# KiCad board default.kicad_pcb (continued)
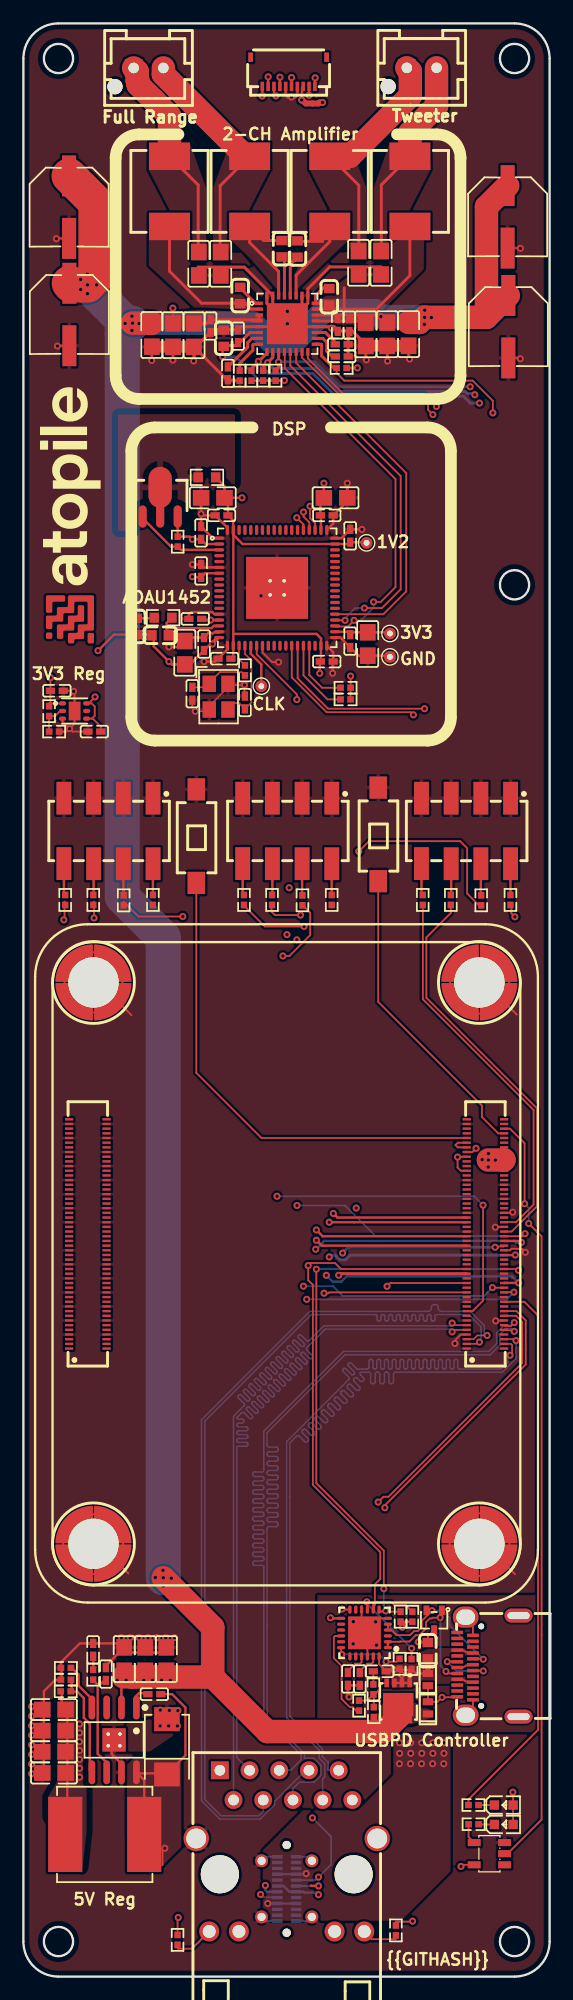
[diagram p0: board, top side]
## Footprints (pads in the part's own frame, mm; a bottom-side part is the same pattern mirrored in y, then rotated) (continued)
CONN-TH_B02B-XASK-1-A-LF-SN
  round 1.3 hole 1.3: (2.87,1.6)
  rect 1.5x1.5 hole 0.9: 1(1.27,0)
  round 1.5 hole 0.9: 2(-1.27,0)
CRYSTAL-SMD_4P-L3.2-W2.5-BL-2
  rect 1.4x1.15 smd: 1(-1.1,-0.8) 2(1.1,-0.8) 3(1.1,0.8) 4(-1.1,0.8)
DFN1610-2_L1.6-W1.0-P1.05-RD
  rect 0.6x0.9 smd: 1(-0.52,0) 2(0.52,0)
FPC-SMD_10P-P0.50_HDGC_0.5K-HX-10PWB
  rect 0.3x0.8 smd: 1(2.25,1.25) 2(1.75,1.25) 3(1.25,1.25) 4(0.75,1.25) 5(0.25,1.25) 6(-0.25,1.25) 7(-0.75,1.25) 8(-1.25,1.25) 9(-1.75,1.25) 10(-2.25,1.25)
  rect 0.4x0.8 smd: 11(-3.25,-1.25) 12(3.25,-1.25)
HDR-SMD_8P-P2.54-V-M-R2-C4-LS7.4
  rect 1.27x2.8 smd: 1(-3.81,-2.8) 2(-3.81,2.8) 3(-1.27,-2.8) 4(-1.27,2.8) 5(1.27,-2.8) 6(1.27,2.8) 7(3.81,-2.8) 8(3.81,2.79)
IND-SMD_L7.3-W6.8
  rect 2.35x3.5 smd: 1(-3,0) 2(3,0)
IND-SMD_L8.0-W8.0_SWPA8040S
  rect 2.92x6.42 smd: 1(3.38,0) 2(-3.38,0)
LED0603-RD
  rect 0.8x0.8 smd: 1(-0.8,0) 2(0.8,0)
LED0603-RD-YELLOW
  rect 0.8x0.8 smd: 1(-0.8,0) 2(0.8,0)
LFCSP-72_L10.0-W10.0-P0.50-LS10.2-BL-EP5.3
  round 0.61 hole 0.3: (-0.6,0.6) (-0.6,-0.6) (0.6,0.6) (0.6,-0.6)
  oval 0.28x0.85 smd: 1(-4.25,-4.95) 2(-3.75,-4.95) 3(-3.25,-4.95) 4(-2.75,-4.95) 5(-2.25,-4.95) 6(-1.75,-4.95) 7(-1.25,-4.95) 8(-0.75,-4.95) 9(-0.25,-4.95) 10(0.25,-4.95) 11(0.75,-4.95) 12(1.25,-4.95) 13(1.75,-4.95) 14(2.25,-4.95) 15(2.75,-4.95) 16(3.25,-4.95) 17(3.75,-4.95) 18(4.25,-4.95) 37(4.25,4.95) 38(3.75,4.95) 39(3.25,4.95) 40(2.75,4.95) 41(2.25,4.95) 42(1.75,4.95) 43(1.25,4.95) 44(0.75,4.95) 45(0.25,4.95) 46(-0.25,4.95) 47(-0.75,4.95) 48(-1.25,4.95) 49(-1.75,4.95) 50(-2.25,4.95) 51(-2.75,4.95) 52(-3.25,4.95) 53(-3.75,4.95) 54(-4.25,4.95)
  oval 0.85x0.28 smd: 19(4.95,-4.25) 20(4.95,-3.75) 21(4.95,-3.25) 22(4.95,-2.75) 23(4.95,-2.25) 24(4.95,-1.75) 25(4.95,-1.25) 26(4.95,-0.75) 27(4.95,-0.25) 28(4.95,0.25) 29(4.95,0.75) 30(4.95,1.25) 31(4.95,1.75) 32(4.95,2.25) 33(4.95,2.75) 34(4.95,3.25) 35(4.95,3.75) 36(4.95,4.25) 55(-4.95,4.25) 56(-4.95,3.75) 57(-4.95,3.25) 58(-4.95,2.75) 59(-4.95,2.25) 60(-4.95,1.75) 61(-4.95,1.25) 62(-4.95,0.75) 63(-4.95,0.25) 64(-4.95,-0.25) 65(-4.95,-0.75) 66(-4.95,-1.25) 67(-4.95,-1.75) 68(-4.95,-2.25) 69(-4.95,-2.75) 70(-4.95,-3.25) 71(-4.95,-3.75) 72(-4.95,-4.25)
  rect 5.3x5.3 smd: 73(0,0)
PDFN3333-8_L3.1-W3.2-P0.65-LS3.4-BL
  rect 0.4x0.75 smd: 1(-0.98,-1.53) 2(-0.32,-1.53) 3(0.33,-1.53) 4(0.98,-1.53)
  rect 0.4x0.8 smd: 5(0.98,1.53) 6(0.33,1.53) 7(-0.32,1.53) 8(-0.98,1.53)
  rect 2.6x2 smd: 9(0,0.33)
QFN-24_L4.0-W4.0-P0.50-BL-EP2.8
  oval 0.28x0.7 smd: 1(-1.25,-2) 2(-0.75,-2) 3(-0.25,-2) 4(0.25,-2) 5(0.75,-2) 6(1.25,-2) 13(1.25,2) 14(0.75,2) 15(0.25,2) 16(-0.25,2) 17(-0.75,2) 18(-1.25,2)
  oval 0.7x0.28 smd: 7(2,-1.25) 8(2,-0.75) 9(2,-0.25) 10(2,0.25) 11(2,0.75) 12(2,1.25) 19(-2,1.25) 20(-2,0.75) 21(-2,0.25) 22(-2,-0.25) 23(-2,-0.75) 24(-2,-1.25)
  rect 2.8x2.8 smd: 25(0.01,0)
R0402
  rect 0.57x0.54 smd: 1(-0.43,0) 2(0.43,0)
R0603
  rect 0.81x0.86 smd: 1(-0.75,0) 2(0.75,0)
RJ45-TH_HR911130A
  round 3.25 hole 3.25: (-5.72,2) (5.72,2)
  round 1.7 hole 1.1: 11(6.63,6.89) 12(4.09,6.89) 13(-4.09,6.89) 14(-6.63,6.89)
  rect 1.52x1.52 hole 0.91: P1(5.72,-6.89)
  round 1.52 hole 0.91: P2(4.55,-4.35) P3(3.18,-6.89) P4(2.01,-4.35) P5(0.64,-6.89) P6(-0.53,-4.35) P7(-1.9,-6.89) P8(-3.07,-4.35) P9(-4.44,-6.89) P10(-5.61,-4.35)
  round 2.16 hole 1.7: SHIELD0(-7.74,-1.06) SHIELD1(7.74,-1.06)
SMB_L4.6-W3.6-LS5.3-RD
  rect 2.05x2.19 smd: 1(-2.36,0) 2(2.36,0)
SMD_BD5.6-D4.1
  custom 3.2x3.2 smd: 1(-2.1,1.65) 2(1.65,2.1) 3(2.1,-1.65) 4(-1.65,-2.1)
  round 4.3 hole 4.3: 1(0,0)
SOIC-8_L5.0-W4.0-P1.27-LS6.0-BL-EP2.0
  oval 0.57x2.04 smd: 1(-1.91,-2.77) 2(-0.63,-2.77) 3(0.63,-2.77) 4(1.9,-2.77) 5(1.9,2.77) 6(0.63,2.77) 7(-0.63,2.77) 8(-1.91,2.77)
  round 0.61 hole 0.3: 9(-0.5,0.5) 9(-0.5,-0.5) 9(0.5,0.5) 9(0.5,-0.5)
  rect 2x2 smd: 9(0,0)
SOT-23-5_L3.0-W1.7-P0.95-LS2.8-BR
  rect 1.1x0.6 smd: 1(1.3,-0.95) 2(1.3,0) 3(1.3,0.95) 4(-1.3,0.95) 5(-1.3,-0.95)
SOT-89-3_L4.5-W2.5-P1.50-LS4.1-TR
  oval 1.9x0.7 smd: 1(1.25,1.5) 3(1.25,-1.5)
  oval 3.5x2 smd: 2(-1.25,0)
  oval 2.1x0.7 smd: 2(1.15,0)
SOT-323-3_L2.1-W1.3-P1.32-LS2.1-BR
  rect 0.83x0.5 smd: 1(0.84,-0.66) 2(0.84,0.66) 3(-0.84,0)
SW-SMD_L6.0-W3.3-LS8.0
  rect 1.9x1.5 smd: 1(-4,0) 2(4,0)
TestPoint_THTPad_D1.0mm_Drill0.5mm
  round 1 hole 0.5: 1(0,0)
USB-C-SMD_HC-TYPE-C-24P-VS9.3-5A-F1.1-04
  round 0.7 hole 0.7: (-3.75,0) (3.75,0)
  round 1.1 hole 0.7: 25(-2.4,-2.15) 26(2.4,-2.15) 27(2.4,2.15) 28(-2.4,2.15)
  rect 0.3x0.9 smd: A1(-2.75,-0.81) A2(-2.25,-0.81) A3(-1.75,-0.81) A4(-1.25,-0.81) A5(-0.75,-0.81) A6(-0.25,-0.81) A7(0.25,-0.81) A8(0.75,-0.81) A9(1.25,-0.81) A10(1.75,-0.81) A11(2.25,-0.81) A12(2.75,-0.81) B1(2.75,0.81) B2(2.25,0.81) B3(1.75,0.81) B4(1.25,0.81) B5(0.75,0.81) B6(0.25,0.81) B7(-0.25,0.81) B8(-0.75,0.81) B9(-1.25,0.81) B10(-1.75,0.81) B11(-2.25,0.81) B12(-2.75,0.81)
USB-C-SMD_TYC-324G
  round 0.5 hole 0.5: (-3.4,0.57) (3.4,0.57)
  oval 1.8x2.2 hole 1.3x1.6: 1(-4.19,1.9) 4(4.19,1.9)
  oval 1.2x2.4 hole 0.6x1.9: 2(-4.32,-2.62) 3(4.32,-2.62)
  rect 0.3x1 smd: A1(-2.62,2.62) A2(-2.12,2.62) A3(-1.62,2.62) A4(-1.12,2.62) A5(-0.63,2.62) A6(-0.12,2.62) A7(0.37,2.62) A8(0.88,2.62) A9(1.37,2.62) A10(1.88,2.62) A11(2.37,2.62) A12(2.88,2.62) B1(2.63,1.28) B2(2.12,1.28) B3(1.63,1.28) B4(1.12,1.28) B5(0.63,1.28) B6(0.12,1.28) B7(-0.38,1.28) B8(-0.88,1.28) B9(-1.37,1.28) B10(-1.88,1.28) B11(-2.37,1.28) B12(-2.88,1.28)
VQFN-32_L5.0-W5.0-P0.50-TL-EP
  rect 0.66x0.28 smd: 1(-2.41,1.75) 2(-2.41,1.25) 3(-2.41,0.75) 4(-2.41,0.25) 5(-2.41,-0.25) 6(-2.41,-0.75) 7(-2.41,-1.25) 8(-2.41,-1.75) 17(2.41,-1.75) 18(2.41,-1.25) 19(2.41,-0.75) 20(2.41,-0.25) 21(2.41,0.25) 22(2.41,0.75) 23(2.41,1.25) 24(2.41,1.75)
  rect 0.28x0.66 smd: 9(-1.75,-2.41) 10(-1.25,-2.41) 11(-0.75,-2.41) 12(-0.25,-2.41) 13(0.25,-2.41) 14(0.75,-2.41) 15(1.25,-2.41) 16(1.75,-2.41) 25(1.75,2.41) 26(1.25,2.41) 27(0.75,2.41) 28(0.25,2.41) 29(-0.25,2.41) 30(-0.75,2.41) 31(-1.25,2.41) 32(-1.75,2.41)
  rect 3.5x3.5 smd: 33(0,0)
WSON-6_L2.0-W2.0-P0.65-TL-EP
  oval 0.61x0.36 smd: 1(-1.03,0.65) 2(-1.03,0) 3(-1.03,-0.65) 4(1.03,-0.65) 5(1.03,0) 6(1.03,0.65)
  rect 1x1.6 smd: 7(0,0)

## Nets
3v3_vcc: C2.1 C3.1 C22.1 C34.1 C35.1 C37.1 C38.1 C43.1 C44.1 C45.1 C46.1 C47.1 C50.2 C51.2 CN1.39 CN1.42 CN1.43 D1.2 D2.2 FPC1.6 Q2.1 R2.2 R3.2 R4.2 R5.2 R8.1 R9.1 R11.1 R15.2 R16.2 R24.1 R36.1 R40.2 R41.2 TP3.1 U1.6 U2.5 U24.2 U24.7 U24.15 U24.18 U24.38 U24.56 U25.1
5v_vcc: C21.1 C28.1 C29.1 C52.1 C60.1 CN1.57 CN1.58 CN1.59 CN1.60 CN1.61 CN1.62 FPC1.8 L5.2 R12.1 R38.1 U25.4 U25.6
20v_vcc: C13.1 C14.1 C15.1 C16.1 C17.1 C18.1 C25.1 C26.1 C27.1 C53.1 C54.1 C55.1 C56.1 C57.1 C58.1 C59.1 D6.1 Q1.5 Q1.6 Q1.7 Q1.8 Q1.9 R18.2 U1.3 U1.4 U1.21 U1.22 U7.2
AVDD: C1.1 U1.19
gnd: C1.2 C2.2 C3.2 C4.2 C7.2 C8.2 C11.2 C12.2 C13.2 C14.2 C15.2 C16.2 C17.2 C18.2 C19.2 C21.2 C22.2 C23.2 C24.2 C25.2 C26.2 C27.2 C28.2 C29.2 C30.1 C31.1 C32.1 C34.2 C35.2 C36.2 C37.2 C38.2 C39.2 C40.2 C41.2 C42.2 C43.2 C44.2 C45.2 C46.2 C47.2 C48.2 C49.2 C52.2 C53.2 C54.2 C55.2 C56.2 C57.2 C58.2 C59.2 C60.2 CN1.1 CN1.4 CN1.7 CN1.11 CN1.16 CN1.21 CN1.26 CN1.30 CN1.33 CN1.37 CN1.49 CN1.65 CN1.68 CN1.71 CN1.74 CN1.79 CN1.84 CN1.89 CN1.94 CN1.97 CN1.100 CN2.4 CN2.7 CN2.10 CN2.13 CN2.16 CN2.19 CN2.22 CN2.28 CN2.31 CN2.34 CN2.37 CN2.40 CN2.43 CN2.46 CN2.49 CN2.52 CN2.55 CN2.58 CN2.61 CN2.64 CN2.67 CN2.70 CN2.73 CN2.82 CN2.85 CN2.88 CN2.91 CN2.94 CN2.97 D3.2 D4.3 D5.2 D6.2 FPC1.5 FPC1.7 HDR1.1 HDR1.3 HDR1.5 HDR1.7 HDR2.1 HDR2.3 HDR2.5 HDR2.7 HDR3.1 HDR3.3 HDR3.5 HDR3.7 R1.2 R13.2 R35.2 R37.2 RJ1.SHIELD0 RJ1.SHIELD1 SW1.2 SW2.2 TP2.1 U1.5 U1.20 U1.25 U1.26 U1.31 U1.32 U1.33 U2.3 U3.1 U3.2 U3.3 U3.4 U4.1 U4.2 U4.3 U4.4 U5.1 U5.2 U5.3 U5.4 U6.1 U6.2 U6.3 U6.4 U7.7 U7.9 U20.6 U20.10 U20.12 U20.13 U20.22 U20.25 U23.25 U23.26 U23.27 U23.28 U23.A1 U23.A12 U23.B1 U23.B12 U24.1 U24.6 U24.14 U24.17 U24.19 U24.25 U24.36 U24.37 U24.54 U24.55 U24.72 U24.73 U25.3 U25.7 USB1.1 USB1.2 USB1.3 USB1.4 USB1.A1 USB1.A12 USB1.B1 USB1.B12 X1.2 X1.4
VBUS_EN_SNK: R19.2 U20.16
VBUS_VS_DISCH: R17.2 U20.18
_11: FPC1.11
_12: FPC1.12
A5: D4.1 U20.1 U20.2 U23.A5 USB1.A5
A_B_SIDE: U20.17
activity_led-cathode: D1.1 R6.1
activity_led_resistor-pins[20]: CN1.90 R6.2
address_bit_0: R40.1 U24.33
address_bit_1: R41.1 U24.32
ADR: R1.1 U1.8
ALERT: U20.19
amp_fault: CN1.17 R2.1 U1.9
amp_i2s_sck: U1.13 U24.40
amp_i2s_sd: U1.14 U24.41
amp_i2s_ws: U1.12 U24.39
amp_mute: CN1.78 R3.1 U1.10
amp_pdn: CN1.15 R4.1 U1.17
amp_warn: CN1.80 R5.1 U1.11
ATTACH: U20.11
AUXADC0: U24.8
AUXADC1: U24.9
AUXADC2: U24.10
AUXADC3: U24.11
AUXADC4: U24.12
AUXADC5: U24.13
B5: D4.2 U20.4 U20.5 U23.B5 USB1.B5
BOOT: C20.1 U7.1
boot_mode: CN1.54 SW1.1
bootstrap_capacitor-cathode: C20.2 D3.1 L5.1 U7.8
BST_Aneg_N: C5.1 U1.29
BST_Apos_P: C6.1 U1.1
BST_Bneg_N: C9.1 U1.28
BST_Bpos_P: C10.1 U1.24
c1-net: C50.1 R23.2
CLKOUT: TP1.1 U24.23
cm5-anode-0: R8.2 RJ1.11
cm5-anode-1: R9.2 RJ1.14
cm5-cathode: D2.1 R7.1
cm5-net: RJ1.
cm5-pins[15]-0: CN1.8
cm5-pins[15]-1: CN2.8
cm5-pins[20]: CN2.90
cm5-pins[23]: CN2.12
cm5-pins[38]: CN2.81
cm5-pins[74]-0: CN1.63
cm5-pins[74]-1: CN2.63
cm5-pins[88]-0: CN1.56
cm5-pins[88]-1: CN2.56
cm5-pins[93]-0: CN1.47
cm5-pins[93]-1: CN2.47
cm5-pins[94]: CN2.53
cm5-pins[95]-0: CN1.48
cm5-pins[95]-1: CN2.48
cm5-usb2-USB_D_N: CN2.99
cm5-usb2-USB_D_P: CN2.98
collector: Q2.2 R22.1
COMP: C24.1 R10.1 U7.6
compensation_capacitors[0]-net: C23.1 R10.2
connector-A2: U23.A2
connector-A3: U23.A3
connector-A10: U23.A10
connector-A11: U23.A11
connector-B2: U23.B2
connector-B3: U23.B3
connector-B10: U23.B10
connector-B11: U23.B11
connector-net: U23.
debug_headers[0]-_2: HDR1.2 R11.2
debug_headers[0]-_4: HDR1.4 R12.2
debug_headers[0]-_6: HDR1.6 R25.2
debug_headers[0]-_8: HDR1.8 R26.2
debug_headers[1]-_2: HDR2.2 R27.2
debug_headers[1]-_4: HDR2.4 R28.2
debug_headers[1]-_6: HDR2.6 R29.2
debug_headers[1]-_8: HDR2.8 R30.2
debug_headers[1]-spi-MOSI: R27.1
debug_headers[2]-_2: HDR3.2 R31.2
debug_headers[2]-_4: HDR3.4 R32.2
debug_headers[2]-_6: HDR3.6 R33.2
debug_headers[2]-_8: HDR3.8 R34.2
debug_headers[2]-spi-MOSI: R31.1
DISCH: R14.2 U20.9
DNC: U25.5
dsp-net: U24.
dsp_reset_disable: CN1.87 U24.24
EN: U7.3
ETH_LED_LINK: CN1.93 RJ1.12
ETH_LED_SPEED: CN1.92 RJ1.13
ETH_P0_N: CN1.5 RJ1.P3
ETH_P0_P: CN1.6 RJ1.P2
ETH_P1_N: CN1.3 RJ1.P7
ETH_P1_P: CN1.2 RJ1.P4
ETH_P2_N: CN1.96 RJ1.P6
ETH_P2_P: CN1.95 RJ1.P5
ETH_P3_N: CN1.98 RJ1.P9
ETH_P3_P: CN1.99 RJ1.P8
eth_sync_out: CN1.9 R28.1
feedback_divider-output-VDIV_OUTPUT-0: R35.1 R36.2 U25.2
feedback_divider-output-VDIV_OUTPUT-1: R37.1 R38.2 U7.5
footprint-A2: USB1.A2
footprint-A3: USB1.A3
footprint-A8: USB1.A8
footprint-A10: USB1.A10
footprint-A11: USB1.A11
footprint-B2: USB1.B2
footprint-B3: USB1.B3
footprint-B8: USB1.B8
footprint-B10: USB1.B10
footprint-B11: USB1.B11
footprint-net-0: U21.
footprint-net-1: U20.3
footprint-net-2: C33.1 R20.2
footprint-net-3: USB1.
footprint-net-4: U22.
gate: Q1.4 R18.1 R19.1 R20.1
GPIO: U20.15
gpio[26]-pins[23]: CN1.12
GVDD: C4.1 U1.18
hdmi0-HDMI_D0_N: CN2.42
hdmi0-HDMI_D0_P: CN2.41
hdmi0-HDMI_D1_N: CN2.39
hdmi0-HDMI_D1_P: CN2.38
hdmi0-HDMI_D2_N: CN2.36
hdmi0-HDMI_D2_P: CN2.35
hdmi0-SCL: CN2.50
hdmi0-SDA: CN2.51
hdmi1-HDMI_D0_N: CN2.30
hdmi1-HDMI_D0_P: CN2.29
hdmi1-HDMI_D1_N: CN2.27
hdmi1-HDMI_D1_P: CN2.26
hdmi1-HDMI_D2_N: CN2.24
hdmi1-HDMI_D2_P: CN2.23
hdmi1-SCL: CN2.77
hdmi1-SDA: CN2.78
i2c-SCL: CN1.83 R15.1 R30.1 U1.16 U20.7 U24.31
i2c-SCLK: CN1.18 R16.1 R29.1 U1.15 U20.8 U24.30
i2cs[1]-SCL: CN1.28 FPC1.9
i2cs[1]-SDA: CN1.29 FPC1.10
i2cs[2]-SCL: CN1.14
i2cs[2]-SDA: CN1.85
i2s_ins[0]-SCK: CN1.76 R34.1 U24.57
i2s_ins[0]-SD: CN1.88 R32.1 U24.59
i2s_ins[0]-WS: CN1.13 R33.1 U24.58
i2s_ins[1]-SCK: U24.60
i2s_ins[1]-SD: U24.62
i2s_ins[1]-WS: U24.61
i2s_ins[2]-SCK: U24.65
i2s_ins[2]-SD: U24.67
i2s_ins[2]-WS: U24.66
i2s_ins[3]-SCK: U24.68
i2s_ins[3]-SD: U24.70
i2s_ins[3]-WS: U24.69
i2s_outs[1]-SCK: U24.43
i2s_outs[1]-SD: U24.44
i2s_outs[1]-WS: U24.42
i2s_outs[2]-SCK: U24.48
i2s_outs[2]-SD: U24.49
i2s_outs[2]-WS: U24.47
i2s_outs[3]-SCK: U24.51
i2s_outs[3]-SD: U24.52
i2s_outs[3]-WS: U24.50
input-pins[94]: CN1.53 U2.2
led_data: CN1.77 FPC1.1
MP6: U24.45
MP7: U24.46
N_C_: U2.1
nfc_interrupt: CN1.25 FPC1.3
nfc_reset: CN1.86 FPC1.4
nOE: C48.1 R21.2 X1.1
OUT_Aneg_N: C5.2 L1.1 U1.30
OUT_Apos_P: C6.2 L2.1 U1.2
OUT_Bneg_N: C9.2 L3.1 U1.27
OUT_Bpos_P: C10.2 L4.1 U1.23
P1: RJ1.P1
P10: RJ1.P10
pins[0]: CN2.100
pins[1]: CN2.1
pins[3]: CN2.2
pins[5]: CN2.3
pins[8]: CN2.96
pins[9]: CN2.5
pins[10]: CN2.95
pins[11]: CN2.6
pins[14]: CN2.93
pins[16]: CN2.92
pins[17]: CN2.9
pins[18]: CN1.91
pins[19]: CN1.10
pins[21]: CN2.11
pins[22]: CN2.89
pins[26]: CN2.87
pins[27]: CN2.14
pins[28]: CN2.86
pins[29]_P: CN2.15
pins[32]: CN2.84
pins[34]: CN2.83
pins[36]: CN1.82
pins[39]_N: CN2.20
pins[40]: CN2.80
pins[41]_P: CN2.21
pins[42]: CN2.79
pins[47]: CN1.24
pins[48]: CN2.76
pins[49]: CN2.25
pins[50]: CN2.75
pins[52]: CN2.74
pins[53]: CN1.27
pins[56]: CN1.72
pins[56]_N: CN2.72
pins[58]_P: CN2.71
pins[60]: CN1.70
pins[61]: CN1.31
pins[62]: CN1.69
pins[63]: CN1.32
pins[63]_P: CN2.32
pins[65]_N: CN2.33
pins[66]: CN1.67
pins[67]: CN1.34
pins[68]: CN1.66
pins[68]_N: CN2.66
pins[69]: CN1.35
pins[70]_P: CN2.65
pins[71]: CN1.36
pins[72]: CN1.64
pins[75]: CN1.38
pins[76]: CN2.62
pins[79]: CN1.40
pins[80]: CN2.60
pins[81]: CN1.41
pins[82]: CN2.59
pins[86]: CN2.57
pins[87]_P: CN2.44
pins[89]_N: CN2.45
pins[90]: CN1.55
pins[92]: CN2.54
pins[96]: CN1.52
pins[98]: CN1.51
pins[99]: CN1.50
PLLFILT: C51.1 R23.1 U24.16
power_1v8-VCC: CN1.44 CN1.45
power_button: CN1.46 SW2.1
power_digital-VCC: C36.1 C39.1 C40.1 C41.1 C42.1 R22.2 TP4.1 U24.20 U24.35 U24.53 U24.71
POWER_OK2: U20.20
POWER_OK3: U20.14
power_vbus-VCC: C30.2 C33.2 D5.1 Q1.1 Q1.2 Q1.3 R14.1 R17.1 U20.24 U23.A4 U23.A9 U23.B4 U23.B9 USB1.A4 USB1.A9 USB1.B4 USB1.B9
RT_CLK: R13.1 U7.4
RX: CN1.73 R26.1
sbu[0]-B8: U23.B8
sbu[1]-A8: U23.A8
SELFBOOT: U24.34
SPDIFIN: U24.4
SPDIFOUT: U24.5
spi0-MISO: CN1.20
spi0-MOSI: CN1.22
spi0-SCLK: CN1.19
spi0_cs0-pins[38]: CN1.81
spi_master-MISO: U24.29
spi_master-MOSI: U24.27
spi_master-SCL: U24.28
spkr_full_n: C7.1 L1.2 U21.2
spkr_full_p: C8.1 L2.2 U21.1
spkr_tweet_n: C11.1 L3.2 U22.1
spkr_tweet_p: C12.1 L4.2 U22.2
SS_M_MP0: U24.26
THD_M: U24.63
THD_P: U24.64
touch_interrupt: CN1.23 FPC1.2
uart-SCLK: CN1.75 R25.1
usb3_0-USB_D_N: CN2.18
usb3_0-USB_D_P: CN2.17
usb3_1-USB_D_N: CN2.68
usb3_1-USB_D_P: CN2.69
usb_connector-usb2-USB_D-0_N: USB1.A7 USB1.B7
usb_connector-usb2-USB_D-0_P: USB1.A6 USB1.B6
usb_connector-usb2-USB_D-1_N: U23.A7 U23.B7
usb_connector-usb2-USB_D-1_P: U23.A6 U23.B6
VDRIVE: Q2.3 R24.2 U24.3
VR_DIG: C19.1 U1.7
VREG_1V2-VCC: C31.2 U20.21
VREG_2V7-VCC: C32.2 U20.23
XTALIN_MCLK: R21.1 U24.21
XTALOUT: C49.1 U24.22 X1.3
Y: R7.2 U2.4

## Via types
v1: diameter 0.6, hole 0.3, Top to Bottom, 243 vias

## Routing (per net, layer and track width the routed paths; a pad name or vN(x,y) marks a point on that pad's centre or on a via; arc(x,y) is an arc through that point)
3v3_vcc: length 67.6
  Top w0.15: U25.1 2.2,108.86 R36.1 2.31,108.74 C22.1 2.31,111.05 v1(2.32,111.06) ; v1(37.42,9.42) 37.56,9.56 U2.5 ; D2.2 41.88,14.67 D1.2 41.88,15.75 v1(41.86,15.77) ; R41.2 R40.2 v1(27.98,111.19) ; v1(42.03,90.61) 41.73,90.91 41.73,91.73 ; 13.19,3.89 13.19,5 v1(13.24,5.05) ; v1(38.71,70.82) 38.39,70.5 CN1.43 ; v1(33.28,4.74) 33.24,4.7 31.85,4.7 ; CN1.39 37.41,68.9 37.13,69.18 v1(37.13,70.07) 37.16,70.1 CN1.42
  Top w0.2: U24.2 15.6,122.49 C43.1 v1(14.45,122.89) 14.22,123.12 R24.1 Q2.1 ; U24.18 16.55,114.49 C46.1 14.25,112.19 12.7,112.19 v1(12.45,112.44) 11.15,113.74 11.15,114.69 11.1,114.74 C50.2 7.75,114.74 v1(6.38,113.37) ; v1(22.32,136.48) 22.3,136.45 R5.2 R2.2 ; v1(22.93,162.37) FPC1.6 ; v1(28.56,137.55) 28.55,137.53 R4.2 ; U24.7 15.55,119.99 C44.1 14.5,119.64 v1(14.45,119.69) ; 32.86,30.34 32.26,30.34 R15.2 ; 32.86,30.34 32.7,30.34 32.4,30.03 v1(32.4,29.87) ; 32.86,30.34 R16.2 ; C2.1 17.04,139.29 v1(17.04,138.5) ; U24.15 15.35,115.99 C45.1 ; v1(16.16,113.94) 16.7,114.48 16.75,114.48 ; v1(25.7,127.69) C35.1 25.4,126.14 C47.1 25.45,124.89 U24.56 ; TP3.1 31.25,114.94 C34.1 28.15,114.94 C38.1 27.7,114.99 U24.38 ; v1(16,115.98) 16.75,115.98
  Top w0.25: U1.6 19.37,140.57 18.52,139.71 18.38,139.71 18.13,139.45 17.22,139.45
  Bottom w0.2: v1(22.32,136.48) 20.16,136.48 18.15,138.5 v1(17.04,138.5)
5v_vcc: length 258.6
  Top w0.15: C21.1 6.62,106.88 5.94,107.56 5.86,107.56 ; 39.21,91.73 39.06,91.73 ; 5.86,107.56 6.1,107.8 6.1,108.6 5.84,108.86 U25.6 5.57,108.86 v1(6.13,109.42) ; 5.86,107.56 U25.4 ; v1(28.68,96.2) 29.56,97.08 37.35,97.08 37.95,96.48 37.95,92.6 38.96,91.59 R12.1
  Top w0.2: v1(23.8,160.45) 23.8,160.96 23.83,160.96 23.83,161.51 FPC1.8 ; 3.57,12.23 3.75,12.41 3.75,22.96 3.27,23.44 3.27,24.36
  Top w0.5: v1(23.8,160.45) 23.8,160.49 24.14,160.15 24.72,160.15 24.72,160.15 25.23,160.15 25.32,160.24 v1(25.58,160.24)
  Top w2: v1(39.76,69.82) 41.08,69.82 41.1,69.84
  In1.Cu w0.5: 29.75,59.81 29.75,64.45 28.48,65.72 28.47,65.71 v1(28.46,65.71) ; v1(28.68,96.2) 7.97,96.2 6.11,98.06 6.11,108.85 6.13,108.87 v1(6.13,109.42)
  In1.Cu w2: v1(39.76,69.82) 23.27,53.33 23.27,35.37 18.91,31.01 7.78,31.01 4.9,28.13 4.9,16.96
  In2.Cu w0.5: 28.01,96.43 28.01,66.96 28.46,66.51 v1(28.46,65.71) ; 28.01,96.43 28.26,96.18 28.66,96.18 v1(28.68,96.2) ; 28.01,96.43 39.42,107.84 39.42,133.96 39.71,134.25 39.71,135.45 38.29,136.87 38.29,144.29 34.8,147.78 34.69,147.78 25.53,156.94 25.53,160.19 v1(25.58,160.24)
  vias: v1(4.8,21.6) v1(4.8,20.84) v1(4.8,20.08) v1(4.8,19.33) v1(4.8,18.57) v1(4.8,17.81) v1(4.8,17.05) v1(39.23,69.85) v1(39.77,70.37) v1(39.75,69.22) v1(40.36,69.81)
20v_vcc: length 239.1
  Top w0.2: 12.19,25.7 12.16,25.73 8.38,25.73 8.38,23.2 8.28,23.1 ; v1(12.78,142.66) 12.8,142.64 C13.1
  Top w0.25: U1.3 U1.4 ; U1.4 20.07,141.66 15.96,141.66 15.64,141.34 C14.1 ; U1.4 19.54,141.57 ; U1.22 27.87,142.07 ; 27.87,142.07 28.42,141.52 28.37,141.57 U1.21 ; 27.87,142.07 30.44,142.07 v1(30.57,141.93) ; 28.26,141.5 27.93,141.82
  Top w2: C59.1 39.6,151.32 39.6,141.87 ; C16.1 10.97,141.37 v1(9.32,141.37) ; 16.2,25.61 20.86,20.95 30.83,20.95 32.06,22.18 Q1.9 ; 16.2,25.61 16.2,29.86 v1(11.96,34.1) ; 16.2,25.61 9.25,25.61 9.22,25.64 8.54,25.64 ; C18.1 33.87,141.43 v1(34.31,141.87) 39.6,141.87 ; 39.6,141.87 C58.1
  Top w3: C56.1 4.07,144.64 v1(5.48,144.64) 6.21,145.37 6.21,151.66 C57.1
  Bottom w2: v1(9.32,141.37) 19.62,141.37 21.17,139.82 23.2,139.82 24.85,141.47 24.85,141.56 25.73,142.44 30.06,142.44 v1(30.57,141.93) 34.25,141.93 v1(34.31,141.87)
  Bottom w3: v1(11.96,34.1) 11.96,88.83 8.46,92.33 8.46,140.51 ; v1(5.48,144.64) 8.46,141.66 8.46,140.51 ; 8.46,140.51 v1(9.32,141.37)
  vias: v1(4.89,145.11) v1(4.89,144.24) v1(5.47,145.56) v1(5.48,143.89) v1(6.26,144.65) v1(8.02,25.33) v1(8.7,141.35) v1(8.78,25.33) v1(9.28,141.97) v1(9.28,140.74) v1(9.54,25.33) v1(9.9,141.34) v1(10.3,25.33) v1(11.06,25.33) v1(11.28,34.12) v1(11.81,25.33) v1(11.94,34.74) v1(11.97,33.4) v1(12.65,34.06) v1(12.57,25.33) v1(34.32,142.48) v1(34.29,141.27) v1(34.89,141.85)
AVDD: length 2.2
  Top w0.25: U1.19 25.83,140.57 26.67,139.73 C1.1
gnd: length 263.3
  Top w0.127: C48.2 14.45,108.44 v1(14.7,108.19) 15.75,108.19 X1.2 15.9,108.64 17.5,110.24 X1.4 17.6,110.43 v1(18.9,110.43) 18.9,109.53 C49.2
  Top w0.15: 37.97,87.48 36.47,85.98 36.47,84.02 38.16,82.34 39.83,82.34 41.54,84.05 41.54,86.2 40.64,87.1 ; C22.2 4.26,109.94 v1(4.3,109.89) 4.38,109.81 U25.7 4.38,107.13 v1(3.95,106.7) ; CN1.94 40.43,56.1 v1(40.39,56.06) ; C56.2 2.94,139.44 v1(2.91,139.41) ; 39.41,34.26 37.98,34.26 U6.3 36.46,35.79 36.46,37.78 ; 28.92,31.68 U20.10 28.92,29.64 U20.25 ; USB1.B12 38.44,22.98 USB1.1 37.1,23.08 USB1.A1 37.06,23.88 v1(35.8,23.88) 35.42,23.5 D6.2 34.6,24.86 D5.2 ; USB1.A12 37.1,30.02 USB1.4 38.44,30.12 USB1.B1 ; 8.4,85.61 8.47,85.54 8.47,83.73 U4.2 ; v1(36.9,54.13) 36.9,54.39 37.41,54.9 CN1.4 ; v1(2.82,148.59) 2.85,148.62 C57.2 ; 42.03,34.42 42.02,34.42 U6.2 41.57,35.82 41.57,38.18 40.64,39.1 ; U20.25 29.17,29.36 v1(30.19,28.34) ; U20.25 29.15,29.39 v1(28.2,28.45) ; U20.25 v1(28.21,30.35) 27.93,30.63 ; U20.25 v1(30.12,30.34) ; U20.25 29.42,29.14 U20.22 ; U20.25 30.41,30.63 U20.6 ; U20.25 27.92,30.64 ; U3.2 8.96,34.48 8.96,34.47 ; U4.2 9.24,82.21 9.24,82.21 ; U4.2 7.17,82.43 5.06,82.43 3.52,83.97 3.52,86.27 4.83,87.58 7.16,87.58 7.64,87.1 ; v1(42.92,61.93) 42.62,62.23 41.74,62.23 41.61,62.1 CN1.79 ; 5.18,39.53 7.21,39.53 8.52,38.23 8.52,36.02 6.92,34.42 5.07,34.42 3.39,36.1 3.39,38.15 3.89,38.65 ; v1(3.95,106.7) 4.2,106.45 C21.2 ; v1(3.95,106.7) 3.7,106.45 R35.2 ; v1(3.95,106.7) 3.35,107.3 U25.3 ; v1(27.25,31.43) 27.3,31.43 27.34,31.38 ; 27.34,31.38 27.33,31.37 ; 27.34,31.38 U20.12 ; v1(21.82,112.39) 21.27,112.39 20.45,113.21 20.45,113.78 ; CN1.74 40.39,64.1 v1(40.36,64.07) ; D4.3 34.58,29.09 C30.1 33.83,28.56 v1(33.79,28.61) ; v1(42.5,147.77) 42.48,147.79 C59.2 ; v1(42.49,138.33) 42.42,138.4 C58.2 ; U6.4 37.85,39.61 39.84,39.61 ; U24.73 20.95,118.74 20.32,118.11 v1(20.32,118.06) ; U5.2 42.18,82.27 42.18,82.26 ; CN1.71 41.78,65.3 v1(41.84,65.36)
  Top w0.2: 14.57,139.36 C14.2 ; U24.72 17.45,123.89 C39.2 15.45,124.94 15.2,125.19 ; 12.19,27.7 8.41,27.7 8.38,27.73 ; FPC1.5 22.43,160.85 22.58,160.7 v1(22.93,160.7) 23.28,160.7 23.43,160.85 FPC1.7 ; v1(15.45,112.44) 16.4,112.44 C40.2 17.45,113.49 U24.19 ; v1(33.02,138.3) 32.94,138.38 C18.2 ; C31.1 27.75,24.02 27.78,23.99 ; C31.1 27.75,24.01 v1(27.85,23.91) ; C31.1 27.76,24.9 C32.1 ; 8.15,20.83 7.55,20.23 7.55,19.03 8.28,18.3 8.28,17.56 ; v1(27.7,127.69) C35.2 27.7,126.14 C47.2 26.5,124.24 U24.55 ; v1(26.45,111.44) 26.45,112.39 C41.2 26.5,113.24 U24.36 ; v1(28.95,123.74) C42.2 27.2,122.99 U24.54 ; C36.2 C43.2 16.2,122.99 U24.1 ; 3.27,26.41 3.27,25.36 2.7,25.36 1.75,24.41 1.75,17.56 ; C45.2 14.15,116.44 14.38,116.67 16.15,116.67 16.34,116.49 U24.14 ; C17.2 31.12,138.16 v1(31.14,138.13) ; 29.29,139.43 C15.2 29.27,138.28 v1(29.32,138.23) ; R13.2 3.2,26.87 4.82,28.49 C23.2 8.28,28.49 C27.2 7.05,26.58 C24.2 ; U24.37 27.1,114.49 C38.2 28.65,112.94 C34.2 31.25,112.94 TP2.1 ; 12.14,22.12 12.14,22.37 ; C16.2 10.98,138.19 v1(10.97,138.18) ; U20.13 26.31,30.63 v1(26.26,30.68) ; v1(12.78,138.21) 12.8,138.22 C13.2 ; U24.17 16.69,114.93 16.28,114.93 16.2,114.85 15.81,114.85 C46.2 14.1,114.49 C37.2 13.8,114.04 13.45,113.69 v1(12.45,113.69) ; v1(14.45,120.74) C44.2 15.45,120.49 U24.6
  Top w0.25: C14.2 14.59,138.16 v1(14.56,138.14) ; C14.2 14.74,139.34 16.21,140.81 18.38,140.81 18.64,141.07 U1.5 22.32,141.07 v1(22.57,141.32) ; C14.2 17.48,136.45 18.5,136.45 ; v1(26.35,140.94) 26.34,140.95 26.34,141.07 ; C4.2 27.78,139.55 C1.2 27.77,140.55 27.93,140.72 ; 29.33,139.5 28.11,140.72 27.93,140.72 ; 26.34,141.07 26.58,141.07 26.93,140.72 27.93,140.72 ; 26.34,141.07 U1.20 22.82,141.07 v1(22.57,141.32) ; v1(22.57,141.32) 21.32,142.57 U1.31 18.89,146.16 14.95,146.16 14.95,146.16 ; v1(22.57,141.32) 23.82,142.57 U1.26 ; v1(22.57,141.32) 20.82,143.07 U1.32 ; v1(22.57,141.32) 24.32,143.07 U1.25 24.32,144.31 26.2,146.18 30.61,146.18 ; v1(22.57,141.32) v1(22.57,142.38)
  Top w1: C18.2 29.29,139.43 ; C16.2 14.57,139.36
  Bottom w0.15: U23.A12 24.32,4.75 U23.26 ; U23.B1 20.72,4.75 U23.27 ; U23.B12 20.72,10.25 U23.28 ; U23.A1 24.32,10.25 U23.25
  vias: v1(0.7,23.1) v1(0.7,22.28) v1(0.7,21.46) v1(0.7,20.63) v1(0.7,19.81) v1(0.7,18.99) v1(0.7,18.17) v1(0.7,17.35) v1(8.38,28.98) v1(9.14,28.98) v1(9.9,28.98) v1(10.66,28.98) v1(11.41,28.98) v1(11.71,22.79) v1(11.69,21.43) v1(12.17,28.98) v1(12.42,21.43) v1(12.49,22.76) v1(12.93,28.98) v1(13.21,22.75) v1(13.17,21.43) v1(15.2,125.06)
VBUS_EN_SNK: length 8.1
  Top w0.15: R19.2 28.46,22.74 28.16,23.04 27.91,23.04 27.21,23.74 27.21,26.56 26.54,27.22 26.54,29 26.67,29.13 U20.16
VBUS_VS_DISCH: length 5.9
  Top w0.15: U20.18 27.17,27.6 v1(27.22,27.55) ; R17.2 31.92,26.93 v1(31.01,26.93)
  Bottom w0.15: v1(31.01,26.93) 30.4,27.55 v1(27.22,27.55)
A5: length 40.3
  Top w0.15: U20.2 32.19,28.63 32.21,28.65 33.01,28.65 33.55,29.19 33.86,29.19 34.43,29.75 34.43,30.28 34.76,30.62 34.93,30.62 34.99,30.68 v1(35.64,30.68) ; 35.94,31.09 35.94,31.28 ; 36.25,25.92 USB1.A5 ; 36.25,25.92 36.13,26.04 v1(36.13,26.1) ; 36.25,25.92 36.24,25.93
  Top w0.2: U20.1 U20.2 ; v1(35.64,30.68) 35.79,30.83 D4.1
  In1.Cu w0.15: v1(36.13,26.1) 31.04,21 31.04,16.62 28.54,14.11 26.45,14.11 25.91,13.57 v1(24.71,13.57)
  Bottom w0.15: U23.A5 24.98,8.25 v1(25.23,8.5) 26.32,9.59 26.32,11.96 v1(24.71,13.57) ; v1(35.64,30.68) 35.67,30.65 35.67,26.56 v1(36.13,26.1)
activity_led-cathode: length 1.4
  Top w0.15: R6.1 D1.1
activity_led_resistor-pins[20]: length 47.7
  Top w0.15: R6.2 38.06,15.15 44.01,21.1 44.01,56.53 42.84,57.7 CN1.90
address_bit_0: length 5.6
  Top w0.15: 24.45,113.78 24.45,111.29 25.54,110.2 R40.1
address_bit_1: length 6.5
  Top w0.15: R41.1 26.01,109.2 23.95,111.26 23.95,113.78
ADR: length 3.3
  Top w0.25: 18.5,137.45 18.5,137.31 18.5,137.94 19.62,139.06 19.62,139.51 19.68,139.57 20.14,139.57
amp_fault: length 113.6
  Top w0.25: v1(20.09,138.11) 20.13,138.11 20.22,138.2 ; U1.9 20.82,138.81 20.22,138.2 ; 20.22,138.2 19.55,137.54 19.55,137.32 ; CN1.17 27.1,60.1 v1(26.97,59.97)
  In2.Cu w0.25: v1(39,134.54) 38.89,134.42 38.89,108.05 27.48,96.65 27.48,66.71 27.88,66.31 27.88,60.88 v1(26.97,59.97)
  Bottom w0.25: v1(20.09,138.11) 20.09,137.95 20.97,137.08 24.74,137.08 26.69,135.13 37.62,135.13 38.22,134.54 v1(39,134.54)